# KiCad board 8851_HW-U1-VCU118_REV2-0_071417.kicad_pcb (continued)
## Routing (per net, layer and track width the routed paths; a pad name or vN(x,y) marks a point on that pad's centre or on a via; arc(x,y) is an arc through that point) (continued)
JTAG_TCK: length 449.6
  TOP w0.138: v3(21.64,81.94) 19.43,81.94
  TOP w0.15: U19.8 55.41,140.93 55.54,141.06 55.54,141.45 55.41,141.57 U19.7 v3(52.49,141.57) ; v2(118.34,53.98) 117.85,54.47
  03_SIG1 w0.17: v3(21.64,81.94) 19.57,84 19.57,85.35 3.45,101.47 3.45,125.75 1.59,127.61 1.59,133.55 2.89,134.85 6.08,134.85 6.24,135 v3(6.8,135) ; v3(61.88,127.67) 63.25,126.3 63.25,97.8 65.75,95.3 65.75,83.55 66.22,83.08 66.22,81.14 65.93,80.86 65.93,61.87 68.69,59.11 73.59,59.11 76.8,55.9 80.08,55.9 80.5,55.47 80.5,54.2 81.9,52.8 83,52.8 83.38,52.42 85.12,52.42 86.75,50.8 93.18,50.8 93.44,50.55 106.72,50.55 107,50.83 107,60.04 107.39,60.42 116,60.42 116.38,60.05 116.38,55.18 117.05,54.5 117.83,54.5 v2(118.34,53.98)
  05_SIG2 w0.17: v3(7.75,153.9) 8.25,153.4 8.25,142.46 6.8,141.01 v3(6.8,135)
  14_SIG4 w0.087: v3(21.64,81.94) 22.33,82.63 26.05,82.63 26.34,82.91 28.51,82.91 29.23,83.63 45.77,83.63 46.52,82.88 46.52,67.12 50.3,63.35 50.3,58.2 49.92,57.83 49.92,42.85 50.32,42.45 50.32,38.82 50.83,38.31 52.5,36.64 53.08,36.05 56.3,36.05 57.45,34.9 57.45,34.21 60.28,31.38 61.08,31.38 63.14,29.32 63.14,25.28 64.64,23.77 64.64,22.46 65.51,21.59 65.51,20.61 66.23,19.89 69.79,19.89 70.78,20.88 78.74,20.88 79.29,20.33 86.59,20.33 87.84,21.58 90.3,21.58 90.39,21.49 96.52,21.49 98.05,23.02 103.19,23.02 105.4,25.23 106.47,25.23 109.63,28.39 109.63,30.99 108.97,31.65 108.97,35.2 109,35.2 113.92,40.12 113.92,43.36 114.2,43.64 114.62,43.64 114.9,43.92 114.9,45.34 115.18,45.62 115.59,45.62 116.17,46.2 116.17,48.29 116.27,48.38 116.41,48.52 116.41,50.92 116.6,51.11 116.6,51.96 117.14,52.51 117.56,52.51 117.85,52.79 117.85,52.8 117.85,52.8 117.85,53.2 118.34,53.69 v2(118.34,53.98)
  BOTTOM w0.15: v3(52.49,141.57) 53.26,140.81 53.26,137.55 52.42,136.72 52.42,133.1 50.88,131.55 50.88,126.8 51.54,126.14 55.78,126.14 56.38,126.73 60.06,126.73 61,127.67 v3(61.88,127.67) ; R810.1 v3(6.8,135) ; 20.64,89.5 21.36,89.5 21.51,89.35 21.51,84.85 21.14,84.48 21.14,82.44 v3(21.64,81.94) ; R573.1 v3(7.75,153.9)
JTAG_TDI: length 268.3
  TOP w0.15: 19.43,78 v3(21.64,78) ; v2(117.36,55.95) 116.87,56.44
  05_SIG2 w0.17: v3(21.64,78) 20.68,78.96 20.68,84.02 12.71,91.99 12.71,94.77 6.47,101 6.47,124.47 7.03,125.03 7.03,125.44 6.42,126.06 6.42,127.63 5.24,128.81 5.24,131.99 6.8,133.56 v3(6.8,133.88) 7.39,134.47 7.39,140.77 8.84,142.22 8.84,154.68 v3(7.75,155.77)
  14_SIG4 w0.087: v2(117.36,55.95) 115.88,54.47 115.19,54.47 114.9,54.18 114.9,51.76 114.65,51.52 114.09,51.52 113.92,51.34 113.92,51.23 113.92,51.23 113.92,48.81 113.67,48.56 113.34,48.56 113.22,48.56 112.93,48.28 112.93,48.18 112.93,48.18 112.93,46.77 112.76,46.6 112.23,46.6 111.95,46.31 111.95,46.16 111.94,46.16 111.94,45.9 111.66,45.62 111.17,45.62 110.96,45.41 110.96,43.93 110.69,43.66 110.69,43.66 110.67,43.65 110.27,43.65 110.12,43.5 110.12,43.5 109.98,43.36 109.98,41.97 100.99,32.98 100.99,30.72 99.72,29.45 99.72,27.97 95.56,23.8 93.72,23.8 91.8,25.72 87.61,25.72 86.14,24.25 82.02,24.25 80.25,26.02 76.72,26.02 75.06,27.68 70.23,27.68 69.36,28.55 68.42,28.55 67.42,29.54 67.42,30.48 64.95,32.95 64.95,33.39 64.05,34.3 64.05,36.15 59.09,41.11 59.09,44.73 58.67,45.15 58.67,50.95 59.64,51.92 59.64,64.22 58.64,65.23 58.64,72.12 55.51,75.25 55.51,80.05 53.18,82.39 51.11,82.39 45.88,87.62 24.16,87.62 20.96,84.42 20.96,78.67 v3(21.64,78)
  BOTTOM w0.15: R574.1 v3(7.75,155.77) ; R811.1 v3(6.8,133.88)
JTAG_TMS: length 359.9
  TOP w0.138: v3(21.66,83.9) 21.66,83.9 19.43,83.9
  TOP w0.15: v2(119.33,55.95) 118.84,56.44 ; U19.4 55.4,143.49 55.53,143.37 55.53,142.98 55.4,142.85 U19.5 v3(52.48,142.85)
  05_SIG2 w0.17: v3(4.68,167.18) 4.68,166.56 8.56,162.69 8.56,161.62 9.82,160.36 9.82,156.2 9.43,155.81 9.43,141.98 8.5,141.05 8.5,137.93 7.95,137.38 7.95,132.64 v3(6.92,131.61) 7.83,130.7 7.83,100.55 13.57,94.82 13.57,92.59 16.36,89.79 19.24,89.79 21.66,87.37 v3(21.66,83.9)
  07_SIG3 w0.17: v3(4.68,167.18) 5.31,167.8 10.01,167.8 15.19,162.62 21.15,162.62 25.57,158.2 39.88,158.2 46.65,151.43 48.87,151.43 51.49,148.81 51.49,148.44 53.76,146.17 53.76,144.14 v3(52.48,142.85)
  14_SIG4 w0.087: v2(119.33,55.95) 118.84,55.46 118.14,55.46 117.85,55.17 117.85,53.78 117.56,53.49 117.16,53.49 116.31,52.64 116.31,51.24 116.16,51.09 116.16,48.71 115.91,48.45 115.91,46.79 115.71,46.6 115.19,46.6 114.9,46.31 114.9,45.91 114.61,45.62 114.21,45.62 113.92,45.32 113.92,45.3 113.91,45.3 113.91,43.93 113.63,43.65 113.22,43.65 112.93,43.36 112.93,39.88 107.11,34.06 107.11,31.33 104.78,29.01 104.78,28.45 103.3,26.96 100.68,26.96 96.14,22.41 93.15,22.41 92.45,23.11 88.01,23.11 86.15,21.25 81.37,21.25 78.97,23.65 75.96,23.65 74.66,22.35 70.65,22.35 70.2,22.8 70.2,24.27 69.75,24.73 68.22,24.73 67.75,25.2 67.75,26.57 65.91,28.42 65.91,29.14 63.2,31.85 63.2,32.42 62.2,33.42 60.23,33.42 59.57,34.09 59.57,35.71 57.73,37.55 53.7,37.55 52.32,38.93 52.32,39.94 53.43,41.05 54.61,41.05 57.57,44.01 57.57,44.18 57.57,51.64 58.2,52.28 58.2,55.33 58.4,55.53 58.4,62.55 57.52,63.43 57.52,71.39 54.52,74.39 51.21,74.39 49.42,76.17 49.42,79.08 49.13,79.38 49.13,82.67 47.67,84.13 28.81,84.13 28.6,83.92 26.76,83.92 25.51,85.17 22.93,85.17 v3(21.66,83.9)
  BOTTOM w0.138: R575.1 v3(4.68,167.18)
  BOTTOM w0.15: 19.63,89.5 19.63,89.97 19.89,90.22 21.26,90.22 22.01,89.48 22.01,84.25 v3(21.66,83.9) ; R812.1 v3(6.92,131.61)
MASTER_SW_12V: length 12.7
  TOP w0.375: 224.35,154.29 SW1.2 ; SW1.2 225.5,153.88 ; SW1.2 225.5,156.98 ; SW1.2 224.35,156.58 ; SW1.2 223.95,155.43 ; SW1.2 227.05,155.43 ; SW1.2 226.65,154.29 ; SW1.2 226.65,156.58
MAXIM_CABLE_B: length 315.7
  TOP w0.15: Q27.3 v3(87.26,100.41) 88.63,101.77 102.91,101.77 104.63,103.5 107.47,103.5 108.45,102.52 114.45,102.52 116.78,104.85 121.93,104.85 122.5,104.28 122.5,96.79 124.62,94.67 138.28,94.67 140.11,96.51 141.38,96.51 142.43,95.45 144.13,95.45 144.81,96.14 148.62,96.14 149.25,96.77 150.28,96.77 150.93,96.12 166.05,96.12 167.07,95.11 167.07,93.97 v3(167.77,93.27)
  05_SIG2 w0.17: v3(223.52,33.17) 226.08,30.62 226.08,30 229.3,26.77
  20_SIG7 w0.087: v3(167.77,93.27) 169.08,91.97 169.08,83.4 172.97,79.5 178.47,79.5 182.45,75.52 182.45,69.08 190.67,60.87 193.18,60.87 194.09,59.96 194.09,58.97 198.81,54.25 214.3,54.25 218.07,50.48 218.07,46.1 219.09,45.09 221.54,45.09 228.2,38.42 228.2,35.58 225.8,33.17 v3(223.52,33.17)
  BOTTOM w0.15: 24.71,116.13 24.71,118.13 24.98,118.4 29.68,118.4 30,118.08 30,115.6 29.42,115.02 29.42,114.48 28.49,113.55 28.49,112.99 27.6,112.1 26.05,112.1 25.02,111.08 25.02,105.75 27.62,103.15 32.4,103.15 34.7,100.85 41.52,100.85 43.75,103.08 43.75,105.4 44.4,106.05 50.25,106.05 52.41,103.89 52.41,97.49 53.9,96 53.9,94.83 55.05,93.67 61.35,93.67 63.05,95.38 63.05,99.6 64.65,101.2 83.05,101.2 83.83,100.41 v3(87.26,100.41) ; R327.2 v3(223.52,33.17)
MAXIM_CABLE_B_SYSCTLR: length 21
  TOP w0.15: 10.14,130.09 v6(9.75,129.69)
  18_SIG6 w0.087: v3(23.35,123.42) 23.35,124.62 23.13,124.84 15.62,124.84 14.08,126.38 14.08,126.73 13.87,126.94 12.73,126.94 12.5,127.17 12.5,127.5 12.27,127.73 11.88,127.73 11.72,127.89 11.71,128.28 11.48,128.51 11.46,128.51 11.09,128.51 10.93,128.67 10.93,129.07 10.7,129.3 10.14,129.3 v6(9.75,129.69)
  BOTTOM w0.15: v3(23.35,123.42) 24.38,123.42 24.71,123.09 24.71,121.88
MAXIM_CABLE_LS_B: length 80.5
  TOP w0.15: v3(140.45,96.01) 138.77,94.32 124.48,94.32 124.12,94.68 124.12,94.68 121.97,96.83 121.97,100.52 121.58,100.92 116.17,100.92 114.92,102.17 108.25,102.17 107.28,103.15 104.78,103.15 103.03,101.4 88.8,101.4 88.28,100.88 88.28,98.88 88.11,98.71 Q27.2 87.66,97.76 87.72,97.69 v3(87.74,97.69) ; v2(139.01,81.54) 138.52,81.05
  20_SIG7 w0.087: v3(140.45,96.01) 140.45,91.44 138.52,89.51 138.52,82.03 v2(139.01,81.54)
  BOTTOM w0.15: v3(87.74,97.69) 87.74,97.82 87.74,97.82 R105.2
MGT223_REFCLK1_N: length 131.4
  TOP w0.102: 102.1,49.55 v2(101.61,49.06) ; v3(56.05,104.54) 56.16,104.64 57.04,104.64
  16_SIG5 w0.075: 101.28,41.58 101.28,41.59 101.24,41.63 101.24,43.45 101.2,43.48 101.2,46.73 101.24,46.77 101.24,48.44 101.22,48.46 101.22,49.24 101.29,49.32 101.45,49.32 101.61,49.16 v2(101.61,49.06)
  16_SIG5 w0.087: v3(56.05,104.54) 55.73,104.22 54.83,104.22 52.31,101.7 52.31,94.45 55.42,91.34 55.42,84.52 55.92,84.02 55.92,78.64 57.63,76.94 57.63,64.25 58.16,63.72 62.09,59.79 62.09,47.57 63.63,46.04 63.63,43.43 63.41,43.21 63.41,39.01 66.26,36.16 66.26,32.4 67.29,31.38 82.51,31.38 83.62,30.27 90.32,30.27 93.64,33.6 94.24,33.6 101.28,40.63 101.28,41.58
MGT226_CLK0_N: length 5.3
  TOP w0.102: 24.09,98.2 J30.1
MGT226_CLK0_P: length 5.3
  TOP w0.102: 22.96,98.2 J31.1
MGT226_REFCLK0_N: length 226.7
  TOP w0.102: 24.09,99.19 24.09,100.07 v3(23.98,100.18) ; 119.82,49.55 v2(120.31,49.06)
  18_SIG6 w0.075: 120.1,40.62 120.09,40.63 120.04,40.63 119.91,40.76 119.91,41.66 119.94,41.69 119.94,43.66 119.89,43.7 119.89,45.93 119.94,45.97 119.94,49.38 120.02,49.46 120.22,49.46 120.31,49.37 v2(120.31,49.06)
  18_SIG6 w0.087: 120.1,40.62 120.32,40.4 124.49,40.4 128,36.89 128,29.69 123.75,25.44 123.75,24.81 119.44,20.5 109.53,20.5 107.45,18.43 103.55,18.43 101.98,20 77.73,20 77.31,20.41 72.11,20.41 70.35,18.65 60.62,18.65 58.75,20.51 58.75,28.25 57.61,29.39 57.61,30.39 57.99,30.76 57.99,32.17 57.66,32.5 57.66,34.09 55.51,36.24 40.97,36.24 39.95,35.22 35.84,35.22 32.26,38.79 32.26,55.42 30.57,57.11 30.57,66.59 28.93,68.24 28.93,87.1 34.75,92.92 34.75,100.27 32.77,102.25 23.91,102.25 23.66,102 23.66,101.88 23.8,101.75 23.84,101.75 23.98,101.62 23.98,101.35 23.84,101.22 23.8,101.22 23.66,101.09 23.66,100.5 v3(23.98,100.18)
MGT226_REFCLK0_P: length 226.7
  TOP w0.102: 22.96,99.19 22.96,100.07 v3(23.07,100.18) ; 119.82,50.53 v2(120.31,50.04)
  18_SIG6 w0.075: v2(120.31,50.04) 120.31,49.73 120.24,49.66 119.94,49.66 119.74,49.46 119.74,46.06 119.7,46.01 119.7,43.62 119.74,43.58 119.74,41.77 119.71,41.74 119.71,40.68 119.89,40.5 119.89,40.44 119.91,40.42
  18_SIG6 w0.087: v3(23.07,100.18) 23.39,100.5 23.39,100.7 23.39,102.12 23.79,102.52 32.89,102.52 35.02,100.39 35.02,92.81 29.2,86.99 29.2,68.35 30.85,66.7 30.85,57.22 32.54,55.53 32.54,38.9 35.95,35.49 39.84,35.49 40.86,36.51 55.62,36.51 57.93,34.2 57.93,32.61 58.26,32.28 58.26,30.64 57.89,30.27 57.89,29.5 59.03,28.36 59.03,20.63 60.73,18.93 70.23,18.93 72,20.69 77.43,20.69 77.84,20.27 102.1,20.27 103.66,18.7 107.34,18.7 109.41,20.78 119.32,20.78 123.47,24.93 123.47,25.55 127.72,29.8 127.72,36.77 124.37,40.12 120.2,40.12 119.91,40.42
MGT233_CLK1_N: length 5.3
  TOP w0.102: 58.03,104.64 J32.1
MGT233_CLK1_P: length 5.3
  TOP w0.102: 58.03,103.52 J33.1
MGT233_REFCLK1_P: length 131.3
  TOP w0.102: v3(56.05,103.62) 56.16,103.52 57.04,103.52 ; 102.1,50.53 v2(101.61,50.04)
  16_SIG5 w0.075: 101,41.58 101,41.59 101.04,41.63 101.04,43.36 101,43.4 101,46.81 101.04,46.85 101.04,48.36 101.02,48.38 101.02,49.33 101.21,49.52 101.51,49.52 101.61,49.62 v2(101.61,50.04)
  16_SIG5 w0.087: 101,41.58 101,40.74 99.39,39.14 94.13,33.87 93.53,33.87 90.2,30.54 83.73,30.54 82.62,31.65 67.4,31.65 66.54,32.51 66.54,36.27 63.69,39.12 63.69,43.1 63.91,43.31 63.91,46.15 62.37,47.69 62.37,59.9 57.9,64.37 57.9,77.05 56.2,78.76 56.2,84.14 55.7,84.64 55.7,91.45 52.59,94.56 52.59,101.59 53.62,102.62 53.75,102.62 53.82,102.54 53.95,102.54 54.07,102.67 54.07,102.79 53.99,102.87 53.99,102.99 54.12,103.12 54.24,103.12 54.32,103.04 54.44,103.04 54.57,103.16 54.57,103.29 54.49,103.36 54.49,103.49 54.94,103.94 55.73,103.94 v3(56.05,103.62)
MGT_SI570_CLOCK1_C_N: length 37.3
  TOP w0.102: 105.46,28.23 105.46,28.65 v3(105.69,28.88) ; v2(122.28,49.06) 121.79,49.55
  20_SIG7 w0.075: v2(122.28,49.06) 122.28,49.43 122.36,49.5 122.58,49.5 122.66,49.43 122.66,45.6 122.7,45.55 122.7,43.71 122.66,43.67 122.66,40.34 122.62,40.3 122.62,40.28
  20_SIG7 w0.087: v3(105.69,28.88) 105.82,28.88 105.98,29.04 105.98,30.85 105.28,31.56 105.28,34.25 110.2,39.17 121.84,39.17 122.62,39.95 122.62,40.28
MGT_SI570_CLOCK1_C_P: length 37.4
  TOP w0.102: v3(106.43,28.88) 106.43,28.81 106.59,28.65 106.59,28.23 ; v2(122.28,50.04) 121.79,50.53
  20_SIG7 w0.075: v2(122.28,50.04) 122.28,49.77 122.36,49.7 122.66,49.7 122.85,49.51 122.85,45.68 122.89,45.64 122.89,43.63 122.85,43.59 122.85,40.34 122.89,40.3 122.89,40.28
  20_SIG7 w0.087: 122.89,40.28 122.89,39.84 121.95,38.9 110.31,38.9 105.55,34.14 105.55,31.68 106.26,30.97 106.26,29.05 v3(106.43,28.88)
MGT_SI570_CLOCK1_N: length 4
  TOP w0.102: 103.98,24.97 103.98,25.55 104.1,25.68 104.1,26.3 104.5,26.7 105.72,26.7 105.85,26.82 105.85,26.98 105.58,27.25 105.46,27.25
MGT_SI570_CLOCK1_P: length 4.1
  TOP w0.102: 106.59,27.25 106.47,27.25 106.08,26.85 106.08,26.73 105.82,26.48 104.59,26.48 104.33,26.21 104.33,25.65 104.47,25.5 104.47,24.97
MGT_SI570_CLOCK2_C_N: length 25.3
  TOP w0.102: 102.58,28.12 102.77,28.32 102.77,28.69 v3(102.7,28.76) ; v2(107.52,49.06) 108.01,49.55
  16_SIG5 w0.075: v2(107.52,49.06) 107.52,49.52 107.58,49.59 107.81,49.59 107.91,49.49 107.91,48.62 107.89,48.61 107.89,46.65 107.93,46.61 107.93,43.76 107.89,43.72 107.89,41.73 107.85,41.69 107.85,41.67
  16_SIG5 w0.087: v3(102.7,28.76) 102.93,28.99 102.93,30.03 103.72,30.82 103.72,35.22 106.04,37.54 107.85,39.36 107.85,41.67
MGT_SI570_CLOCK2_C_P: length 25.3
  TOP w0.102: v3(103.44,28.76) 103.44,28.51 103.83,28.12 ; v2(107.52,50.04) 108.01,50.53
  16_SIG5 w0.075: 108.13,41.67 108.13,41.69 108.09,41.73 108.09,43.64 108.12,43.68 108.12,46.69 108.09,46.73 108.09,48.53 108.11,48.54 108.11,49.57 107.89,49.78 107.78,49.78 v2(107.52,50.04)
  16_SIG5 w0.087: v3(103.44,28.76) 103.21,28.99 103.21,29.92 103.99,30.7 103.99,35.11 106.23,37.35 108.13,39.24 108.13,41.67
MGT_SI570_CLOCK3_C_N: length 27.4
  TOP w0.102: v3(100.38,28.8) 100.65,28.54 100.65,28.42 100.55,28.32 100.23,28.32 100.05,28.14 100.05,27.93 99.6,27.48 ; v2(103.58,49.06) 104.07,49.55
  16_SIG5 w0.075: 103.92,41.54 103.92,41.56 103.96,41.6 103.96,43.79 103.97,43.8 103.97,44.93 103.99,44.96 103.99,46.59 103.96,46.63 103.96,48.34 103.97,48.35 103.97,49.29 103.86,49.4 103.65,49.4 103.58,49.32 v2(103.58,49.06)
  16_SIG5 w0.087: 103.92,41.54 103.92,39.82 101.31,37.22 98.29,34.2 98.29,31.87 100.62,29.54 100.62,29.04 v3(100.38,28.8)
MGT_SI570_CLOCK3_C_P: length 27.9
  TOP w0.102: v2(103.58,50.04) 104.07,50.53 ; v3(101.22,28.8) 100.88,28.46 100.88,28.32 100.64,28.09 100.32,28.09 100.28,28.04 100.28,27.93 100.72,27.48
  16_SIG5 w0.075: v2(103.58,50.04) 103.58,49.67 103.66,49.59 103.94,49.59 104.16,49.37 104.16,48.27 104.15,48.26 104.15,46.71 104.19,46.67 104.19,44.88 104.16,44.85 104.16,43.72 104.15,43.71 104.15,41.6 104.19,41.56 104.19,41.54
  16_SIG5 w0.087: v3(101.22,28.8) 100.89,29.13 100.89,29.66 98.57,31.98 98.57,34.09 101.51,37.02 104.19,39.71 104.19,41.54
MGTAVCC: length 13.6
  TOP w0.15: v3(132.81,133.17) 132.81,133.03 132,132.23 131.08,132.23 130.93,132.08 130.93,130.81 ; R114.2 134.63,128.44 134.86,128.44 v3(135.04,128.61)
  BOTTOM w0.15: v3(135.04,128.61) 135.25,128.4 135.97,128.4 136.68,129.1 136.68,131.68 135.01,133.34 132.99,133.34 v3(132.81,133.17)
MGTAVCC_A3_IN: length 12.2
  TOP w0.15: 162.08,128.41 162.06,128.41 161.06,129.41 161.06,129.92 v3(161.43,130.29) 162.09,130.95 162.09,132.17
  BOTTOM w0.15: 161.06,129.41 161.06,129.79 161.43,130.17 v3(161.43,130.29) 160.98,130.74 158.88,130.74 158.33,131.29 158.33,133.02 R1227.1
MGTAVCC_FPGA: length 225.8
  TOP w0.15: v3(135.04,127.86) 134.86,128.04 134.63,128.04 R113.2 ; v3(132.81,133.92) 132.3,133.41 132.3,133.03 131.92,132.64 131.08,132.64 130.93,132.79 130.93,134.02
  TOP w0.375: 107.02,50.53 v2(106.53,50.04) ; 129.55,136.55 J109.1 ; J109.1 130.6,135.5 ; J109.1 131.65,136.55 ; J109.1 131.39,137.34 ; J109.1 130.6,137.6 ; J109.1 129.8,135.76 ; J109.1 131.39,135.76 ; J109.1 129.8,137.34 ; 90.33,98.43 90.33,97.8 v3(90.2,97.67) ; v2(124.25,51.03) 123.76,51.52 ; 118.84,52.5 v2(119.33,52.01) ; 127.69,51.52 v2(128.19,51.03) ; 117.62,30.67 117.62,31.37 117.9,31.64 v3(117.9,31.76) ; v2(126.22,51.03) 125.73,51.52 ; v2(113.42,51.03) 113.91,51.52 ; 117.85,77.11 v2(118.34,77.6) ; v2(114.41,50.04) 114.9,50.53 ; 116.87,78.09 v2(117.36,78.59) ; 116.25,30.67 v3(116.25,31.41) ; v2(125.23,49.06) 124.74,49.55 ; 119.82,51.52 v2(120.31,51.03) ; 118.84,78.09 v2(119.33,78.59) ; v2(127.2,81.54) 126.71,81.05 ; U1.AC39 v2(132.12,65.79) ; v3(81.49,49.92) C602.1 C1505.1 ; 117.85,51.52 v2(118.34,51.03) ; 99.38,98.43 99.38,97.7 v3(99.4,97.67) ; v2(115.39,80.55) 115.88,80.06 ; 96.58,98.43 96.58,97.77 v3(96.48,97.67) ; v3(115.53,125.68) 116.64,125.68 C1740.1 116.64,123.93 v3(115.62,123.93) ; v3(84,84.71) 83.94,84.71 83.85,84.8 83.24,84.8 ; v2(111.45,77.6) 111.95,77.11 ; 126.62,31.79 126.62,32.57 125.88,33.32 v3(125.27,33.32) ; 83.24,48.67 83.24,49.92 83.78,49.92 v3(84.27,49.43) ; v2(112.44,78.59) 112.93,78.09 ; v2(110.47,78.59) 110.96,78.09 ; v2(111.45,51.03) 111.95,51.52 ; 120.8,49.55 v2(121.3,49.06) ; 107.75,31.79 108.25,32.29 v3(108.25,32.65) ; 103.09,50.53 v2(102.6,50.04) ; v2(114.41,78.59) 114.9,78.09 ; v3(84.26,47.76) 83.93,47.42 83.24,47.42 83.24,46.17 ; v3(115.32,108.06) 116.39,108.06 C1737.1 116.74,106.65 v3(115.33,106.65) ; 116.87,52.5 v2(117.36,52.01) ; v2(115.39,51.03) 115.88,51.52 ; 115.88,77.11 v2(115.39,77.6) ; v2(127.2,50.04) 126.71,50.53 ; v3(97.96,97.66) 97.83,97.8 97.83,98.43 ; v2(106.53,81.54) 107.02,81.05 ; v2(112.44,49.06) 112.93,49.55 ; v2(113.42,77.6) 113.91,77.11 ; v2(122.28,79.57) 121.79,79.08 ; v3(112.39,105.79) 112.39,104.67 113.27,103.8 114.15,104.68 v3(114.15,105.77) ; 128.68,49.55 v2(129.17,49.06) ; 105.06,49.55 v2(104.56,49.06) ; v3(89.02,97.69) 89.08,97.74 89.08,98.43
  05_SIG2 w0.188: v2(123.26,88.43) 123.72,87.97 123.72,86.31 123.33,85.92 120.12,85.92 119.82,85.62 119.82,79.27 119.63,79.08 117.11,79.08 116.85,79.34 116.85,80.02 115.86,81.02 110.22,81.02 109.98,80.77 109.98,79.35 110.22,79.1 110.67,79.1 110.96,78.81 110.96,61.58 110.74,61.36 104.35,61.36 104.07,61.09 104.07,60.66 103.79,60.38 103.36,60.38 103.09,60.11 103.09,59.66 103.3,59.44 115.79,59.44 116.75,58.48 116.75,52.62 v2(117.36,52.01)
  11_PWR2 w0.375: 129.8,135.76 J109.1 ; J109.1 131.39,137.34 ; J109.1 129.8,137.34 ; J109.1 129.55,136.55 ; J109.1 131.65,136.55 ; J109.1 130.6,135.5 ; J109.1 130.6,137.6 ; J109.1 131.39,135.76
  BOTTOM w0.15: v3(132.81,133.92) 132.99,133.74 135.17,133.74 137.07,131.84 137.07,128.8 136.28,128 135.17,128 v3(135.04,127.86)
  BOTTOM w0.188: 129.25,100.8 130.01,100.8 ; 129.25,100.8 129.25,100.1 129.07,99.92 129.07,92.64 124.74,88.3 124.74,85.25 124.51,85.03 124.06,85.03 123.77,84.73 123.77,84.28 123.5,84.01 123.04,84.01 122.77,83.74 122.77,80.33 122.5,80.06 121.06,80.06 120.8,79.8 120.8,79.33 120.55,79.08 119.9,79.08 119.88,79.08 119.82,79.08 v2(119.33,78.59) ; 129.25,100.8 128.6,100.8 128.22,100.42 128.22,93.39 v2(123.26,88.43)
  BOTTOM w0.375: 96.58,98.43 96.58,97.77 v3(96.48,97.67) ; v3(108.25,32.65) 108.25,32.29 107.75,31.79 ; v3(125.27,33.32) 125.88,33.32 126.62,32.58 126.62,31.79 ; v3(97.96,97.66) 97.96,97.77 97.83,97.9 97.83,98.43 ; v3(115.32,108.06) 116.39,108.06 C1737.1 116.74,106.65 v3(115.33,106.65) ; v3(115.53,125.68) 116.64,125.68 C1740.1 116.64,123.93 v3(115.62,123.93) ; 99.38,98.43 99.38,97.7 v3(99.4,97.67) ; v3(112.39,105.79) 112.39,104.67 113.27,103.8 114.15,104.68 v3(114.15,105.77) ; v3(116.25,31.41) 116.25,30.67 ; 107.02,98.43 v3(107.02,97.68)
  vias: v3(93.28,32.34) v3(94.36,32.34) v3(95.82,32.39) v3(97.12,32.5) v3(124,135.05) v3(124,133.55) v3(125.5,135.05) v3(125.5,133.55) v3(127,139.55) v3(127,138.05) v3(127,136.55) v3(127,135.05) v3(127,133.55) v3(128.5,139.55) v3(128.5,138.05) v3(128.5,136.55) v3(128.5,135.05) v3(130,139.55) v3(130,138.05) v3(131.5,139.55) v3(131.5,138.05)
MGTAVCC_FPGA_SNS_N: length 62.3
  TOP w0.102: 164.56,132.17 164.56,131.46 164.69,131.33 164.69,131.09 165.51,130.28 167.53,130.28 167.88,129.93 167.88,129.95 v3(167.9,129.95)
  07_SIG3 w0.133: v3(132.1,99.75) 132.42,100.07 132.75,100.07 137.18,104.49 140.7,104.49 142.19,105.98 150.8,105.98 155.95,111.13 157.82,111.13 161.24,114.56 162.78,114.56 163.97,115.75 163.97,128.39 165.84,130.26 167.61,130.26 167.74,130.13 167.74,130.08 167.88,129.95 v3(167.9,129.95)
  BOTTOM w0.102: 130.99,99.55 130.99,99.58 131.5,100.09 131.76,100.09 v3(132.1,99.75)
MGTAVCC_FPGA_SNS_P: length 138.8
  TOP w0.102: 165.05,132.17 165.05,131.46 164.91,131.33 164.91,131.18 165.6,130.5 167.53,130.5 v3(167.88,130.84) ; v3(164.7,143.78) 163.78,144.7 142.42,144.7 139.69,141.98 135.99,141.98 134.99,140.98 127.25,140.98 126.48,140.21 126.48,137 125.43,135.94 123.44,135.94 122.9,135.4 122.9,133.3 123.58,132.62 128.07,132.62 129.53,131.17 129.53,130.02 129.53,129.99 129.53,128.7 v3(130.26,127.97) 130.74,127.49 U37.8
  03_SIG1 w0.133: v3(167.88,130.84) 167.88,136.55 168.28,136.95 168.28,140.2 v3(164.7,143.78)
  07_SIG3 w0.133: v3(132.1,100.66) 132.42,100.34 132.64,100.34 137.06,104.77 140.59,104.77 142.08,106.26 150.69,106.26 155.84,111.41 157.7,111.41 161.13,114.83 162.67,114.83 163.7,115.86 163.7,128.51 165.73,130.53 167.61,130.53 167.74,130.67 167.74,130.71 v3(167.88,130.84)
  BOTTOM w0.102: 130.99,100.8 131.48,100.31 131.76,100.31 v3(132.1,100.66)
MGTAVCC_FPGA_VIN: length 2.7
  TOP w0.138: U37.9 132.12,127.98 132.35,127.75 132.92,127.75
  TOP w0.15: R113.1 133.7,128.04 133.22,128.04 132.92,127.75
MGTAVCC_ISENSE2: length 20.3
  TOP w0.15: v3(147.36,133.83) 146.51,134.67 146.21,134.67 145.93,134.96 145.93,135.52
  07_SIG3 w0.17: v3(147.36,133.83) 147.66,133.83 148.94,132.54 v3(159.21,132.54)
  BOTTOM w0.15: v3(159.21,132.54) 160.2,133.53 R1227.2 160.8,133.9 160.97,134.07 160.97,136.01 160.7,136.28 R1271.2
MGTAVCC_PGOOD: length 85.2
  TOP w0.25: 160.22,134.53 v3(157.8,134.53)
  TOP w0.375: 195.5,168.86 v3(194.68,168.86)
  03_SIG1 w0.375: v3(202.35,148.37) 201.57,148.37 195.5,154.44 195.5,166.77 194.68,167.6 v3(194.68,168.86)
  07_SIG3 w0.375: v3(157.8,134.53) 158.42,134.53 162.31,138.43 162.31,139.44 167.54,144.68 188.67,144.68 189.8,143.55 191.8,143.55 192.17,143.18 197.93,143.18 200.5,145.75 200.5,146.51 v3(202.35,148.37)
  BOTTOM w0.25: 198.15,150.24 198.45,150.24 198.98,149.71 198.98,149.32 199.93,148.37 200.74,148.37
  BOTTOM w0.375: 200.74,148.37 v3(202.35,148.37)
MGTAVCC_PWM2: length 24.2
  TOP w0.15: 144.94,135.52 144.94,136.04 144.73,136.25 143.37,136.25 v3(143.21,136.09) ; 161.6,137.88 v3(161.6,139.09)
  07_SIG3 w0.17: v3(161.6,139.09) 159.65,139.09 158.45,140.29 154.54,140.29 153.71,139.47 149.46,139.47 147.3,137.3 144.42,137.3 v3(143.21,136.09)
MGTAVCC_SLAVE_1V8: length 36.8
  TOP w0.375: 141.43,136.78 141.94,136.78 v2(142.29,136.44) 142.3,136.43 142.3,135.83 142.82,135.3 143.37,135.3 143.6,135.52 143.96,135.52 ; C1620.1 156.13,126.22 155.34,127.01 155.34,127.83 155.36,127.84 155.36,129.38 155.4,129.42 155.4,130.88 155.4,132.97 L98.1 155.34,134.46 v3(155.42,134.54)
  14_SIG4 w0.375: v3(155.42,134.54) 151.68,130.8 146.72,130.8 142.29,135.23 v2(142.29,136.44)
  BOTTOM w0.15: 143.06,134.69 142.29,135.46 v2(142.29,136.44)
  vias: v2(146.36,141.2)
MGTAVCC_TS_FAULTB: length 14.9
  TOP w0.15: v3(160.2,138.15) 160.2,137.02 160.22,136.99
  03_SIG1 w0.17: v3(150.97,133.73) 150.97,135.25 152.03,136.3 154.47,136.3 155.87,137.7 157.74,137.7 158.19,138.15 v3(160.2,138.15)
  BOTTOM w0.15: 160.2,137.28 v3(160.2,138.15) ; 150.06,133.73 v3(150.97,133.73)
MGTAVCC_VDD_MASTER: length 26.1
  TOP w0.25: 165.93,136.5 166.66,136.5 166.95,136.79 v3(167.31,136.79)
  TOP w0.375: v3(153.63,129.63) 153.88,129.38 154.37,129.38 154.37,130.35 153.84,130.88
  14_SIG4 w0.375: v3(167.31,136.79) 166.67,136.79 165.47,135.59 165.47,133.27 163.7,131.5 160.54,131.5 158.67,129.63 v3(153.63,129.63)
  BOTTOM w0.25: 166.55,137.67 166.55,137.55 v3(167.31,136.79)
  BOTTOM w0.375: 167.18,140.17 167.18,138.96 167.21,138.92 166.55,138.25 166.55,137.67
MGTAVCC_VIN: length 2.8
  TOP w0.138: U37.10 132.07,128.47 132.33,128.73 132.92,128.73
  TOP w0.15: R114.1 133.7,128.44 133.22,128.44 132.92,128.73
MGTAVCC_VX2:
  vias: v2(146.36,139.2) v2(146.36,138.2) v2(146.36,136.58)
MGTAVTT: length 24.7
  TOP w0.15: R1203.2 177.73,73.69 177.58,73.84 177.58,74.88 v3(177.76,75.07) ; 169.72,70.69 169.89,70.87 169.89,71.1 v3(169.72,71.28)
  TOP w0.375: C1743.1 175.3,71.35 v3(174.3,71.35) ; v3(174.33,68.04) 175.4,68.04 C1744.1
  03_SIG1 w0.15: v3(177.76,75.07) 177.71,75.02 177.71,68.92 175.42,66.62 173.21,66.62 172.58,67.25 171.43,67.25 169.78,68.89 169.78,71.21 v3(169.72,71.28)
MGTAVTT_A3_IN: length 12.2
  TOP w0.15: 172.39,46.92 171.68,46.92 171.43,46.67 170.8,46.67 170.45,47.03 v3(170.45,47.6) 170.45,47.64 170.13,47.96 C1722.2 169.13,47.47 169.13,47.45 168.62,46.94
  BOTTOM w0.15: R1226.1 172.27,50.22 173.38,49.12 173.38,48.5 172.8,47.92 170.78,47.92 v3(170.45,47.6) 170.09,47.96 C1722.2
MGTAVTT_FPGA: length 377.7
  TOP w0.15: 170.47,70.69 170.29,70.87 170.29,71.1 v3(170.47,71.28) ; R1203.1 177.01,73.69 177.16,73.84 177.16,74.92 v3(177.01,75.07) ; 137.38,30.43 v3(136.38,30.43)
  TOP w0.375: 123.76,45.61 v2(124.25,45.12) ; v2(138.03,85.48) U1.C45 ; 95.32,99.3 95.32,99.97 v3(95.47,100.12) ; v1(80.67,41.58) 81.63,41.58 81.73,41.48 ; v3(124.85,29.35) 124.81,29.31 124.81,29.18 125.66,28.33 125.77,28.33 ; 108.01,84 v2(107.52,84.49) ; 106.04,47.58 v2(105.55,47.09) ; 125.77,28.33 125.77,29.53 v3(125.38,29.93) ; 125.77,28.33 C1752.1 ; v2(131.14,45.12) 130.65,45.61 ; v2(124.25,48.07) 123.76,48.57 ; 95.21,46.6 v2(94.72,46.11) ; J108.1 171.29,74.34 ; J108.1 171.29,72.76 ; J108.1 169.45,73.55 ; J108.1 169.71,74.34 ; J108.1 169.71,72.76 ; J108.1 171.55,73.55 ; J108.1 170.5,74.6 ; J108.1 170.5,72.5 ; 129.66,47.58 v2(130.15,47.09) ; v2(113.42,47.09) 113.91,47.58 ; v2(96.69,45.12) 97.18,45.61 ; v2(101.61,47.09) 102.1,47.58 ; v2(115.39,48.07) 115.88,48.57 ; v2(134.09,83.51) 133.6,83.01 ; 110.96,81.05 v2(110.47,81.54) ; v2(103.58,81.54) 104.07,81.05 ; v2(105.55,83.51) 106.04,83.01 ; v3(106.06,32.24) 106.06,31.51 105.48,30.93 104.96,31.44 104.96,32.54 104.56,32.94 v3(104.51,32.94) ; v2(135.08,45.12) 134.58,45.61 ; v2(95.71,44.14) U1.BD3 ; v3(82.92,43.56) 83.51,44.15 83.51,44.66 83.24,44.92 ; v2(110.47,84.49) 110.96,84 ; 104.07,48.57 v2(103.58,48.07) ; v2(100.63,45.12) 101.12,45.61 ; 137.38,30.43 137.38,29.78 137.05,29.45 135.22,29.45 134.82,29.85 134.82,31.5 143.82,40.49 143.82,48.09 148.5,52.78 153.3,52.78 157.72,57.19 164.86,57.19 165.6,57.93 165.6,66.58 166.08,67.05 166.08,69.07 165.73,69.42 165.73,79.47 165.05,80.15 152.3,80.15 151.05,81.4 149.01,81.4 v3(148.25,82.16) ; v3(124.83,100.15) 123.73,100.15 123.39,100.49 123.39,101.47 124.1,102.19 124.14,102.19 124.89,101.44 v3(124.89,100.86) ; 136.55,44.63 v2(137.04,44.14) ; 132.63,31.67 132.63,32.1 132.82,32.3 v3(133.43,32.3) 133.65,32.3 133.88,32.07 133.88,31.67 ; v3(92.92,97.67) 92.83,97.77 92.83,98.43 91.58,98.43 91.58,97.8 91.55,97.77 v3(91.55,97.67) ; 124.74,46.6 v2(125.23,46.11) ; v2(117.36,82.52) 116.87,82.03 ; v2(98.66,46.11) 99.15,46.6 ; 98.17,83.01 v2(97.67,83.51) ; 128.68,46.6 v2(129.17,46.11) ; v2(123.26,81.54) 122.77,81.05 ; 117.85,47.58 v2(118.34,47.09) ; 131.63,84 v2(132.12,84.49) ; 132.62,46.6 v2(133.11,46.11) ; 127.69,84 v2(128.19,84.49) ; 136.55,46.6 v2(137.04,46.11) ; 140.12,31.67 v3(140.12,32.3) ; 114.9,81.05 v2(114.41,81.54) ; 109.98,47.58 v2(109.49,47.09) ; 94.23,46.6 v2(93.74,46.11) ; 95.21,84.98 v2(94.72,85.48) ; 137.54,44.63 v2(138.03,44.14) ; 102.1,83.01 v2(101.61,83.51) ; v2(136.06,84.49) 135.57,84 ; v2(94.72,44.14) 95.21,44.63 ; 138.52,45.61 v2(139.01,45.12) ; 96.2,84 v2(95.71,84.49) ; v2(139.01,83.51) 138.52,83.01 ; v2(130.15,83.51) 129.66,83.01 ; v2(93.74,83.51) 94.23,83.01 ; 126.71,45.61 v2(127.2,45.12) ; v2(104.56,45.12) 105.06,45.61 ; 103.09,46.6 v2(102.6,46.11) ; v2(126.22,47.09) 125.73,47.58 ; v2(111.45,48.07) 111.95,48.57 ; v2(138.03,83.51) 137.54,83.01 ; v2(125.23,82.52) 124.74,82.03 ; v3(141.38,32.3) 141.38,31.67 ; v2(99.64,48.07) 100.13,48.57 ; 104.07,84 v2(103.58,84.49) ; 121.79,47.58 v2(122.28,47.09) ; 119.82,48.57 v2(120.31,48.07) ; 83.24,83.55 v3(84,83.55) ; v2(126.22,83.51) 125.73,83.01 ; 108.01,48.57 v2(107.52,48.07) ; U1.B3 v2(95.71,86.46) ; v2(99.64,84.49) 100.13,84 ; v2(124.25,84.49) 123.76,84 ; 127.69,48.57 v2(128.19,48.07)